# KiCad board Power Unit.kicad_pcb
title: Power Unit - CanSat 2023; date: 2023-01-18; company: Project SkyFall; note: David Haisman
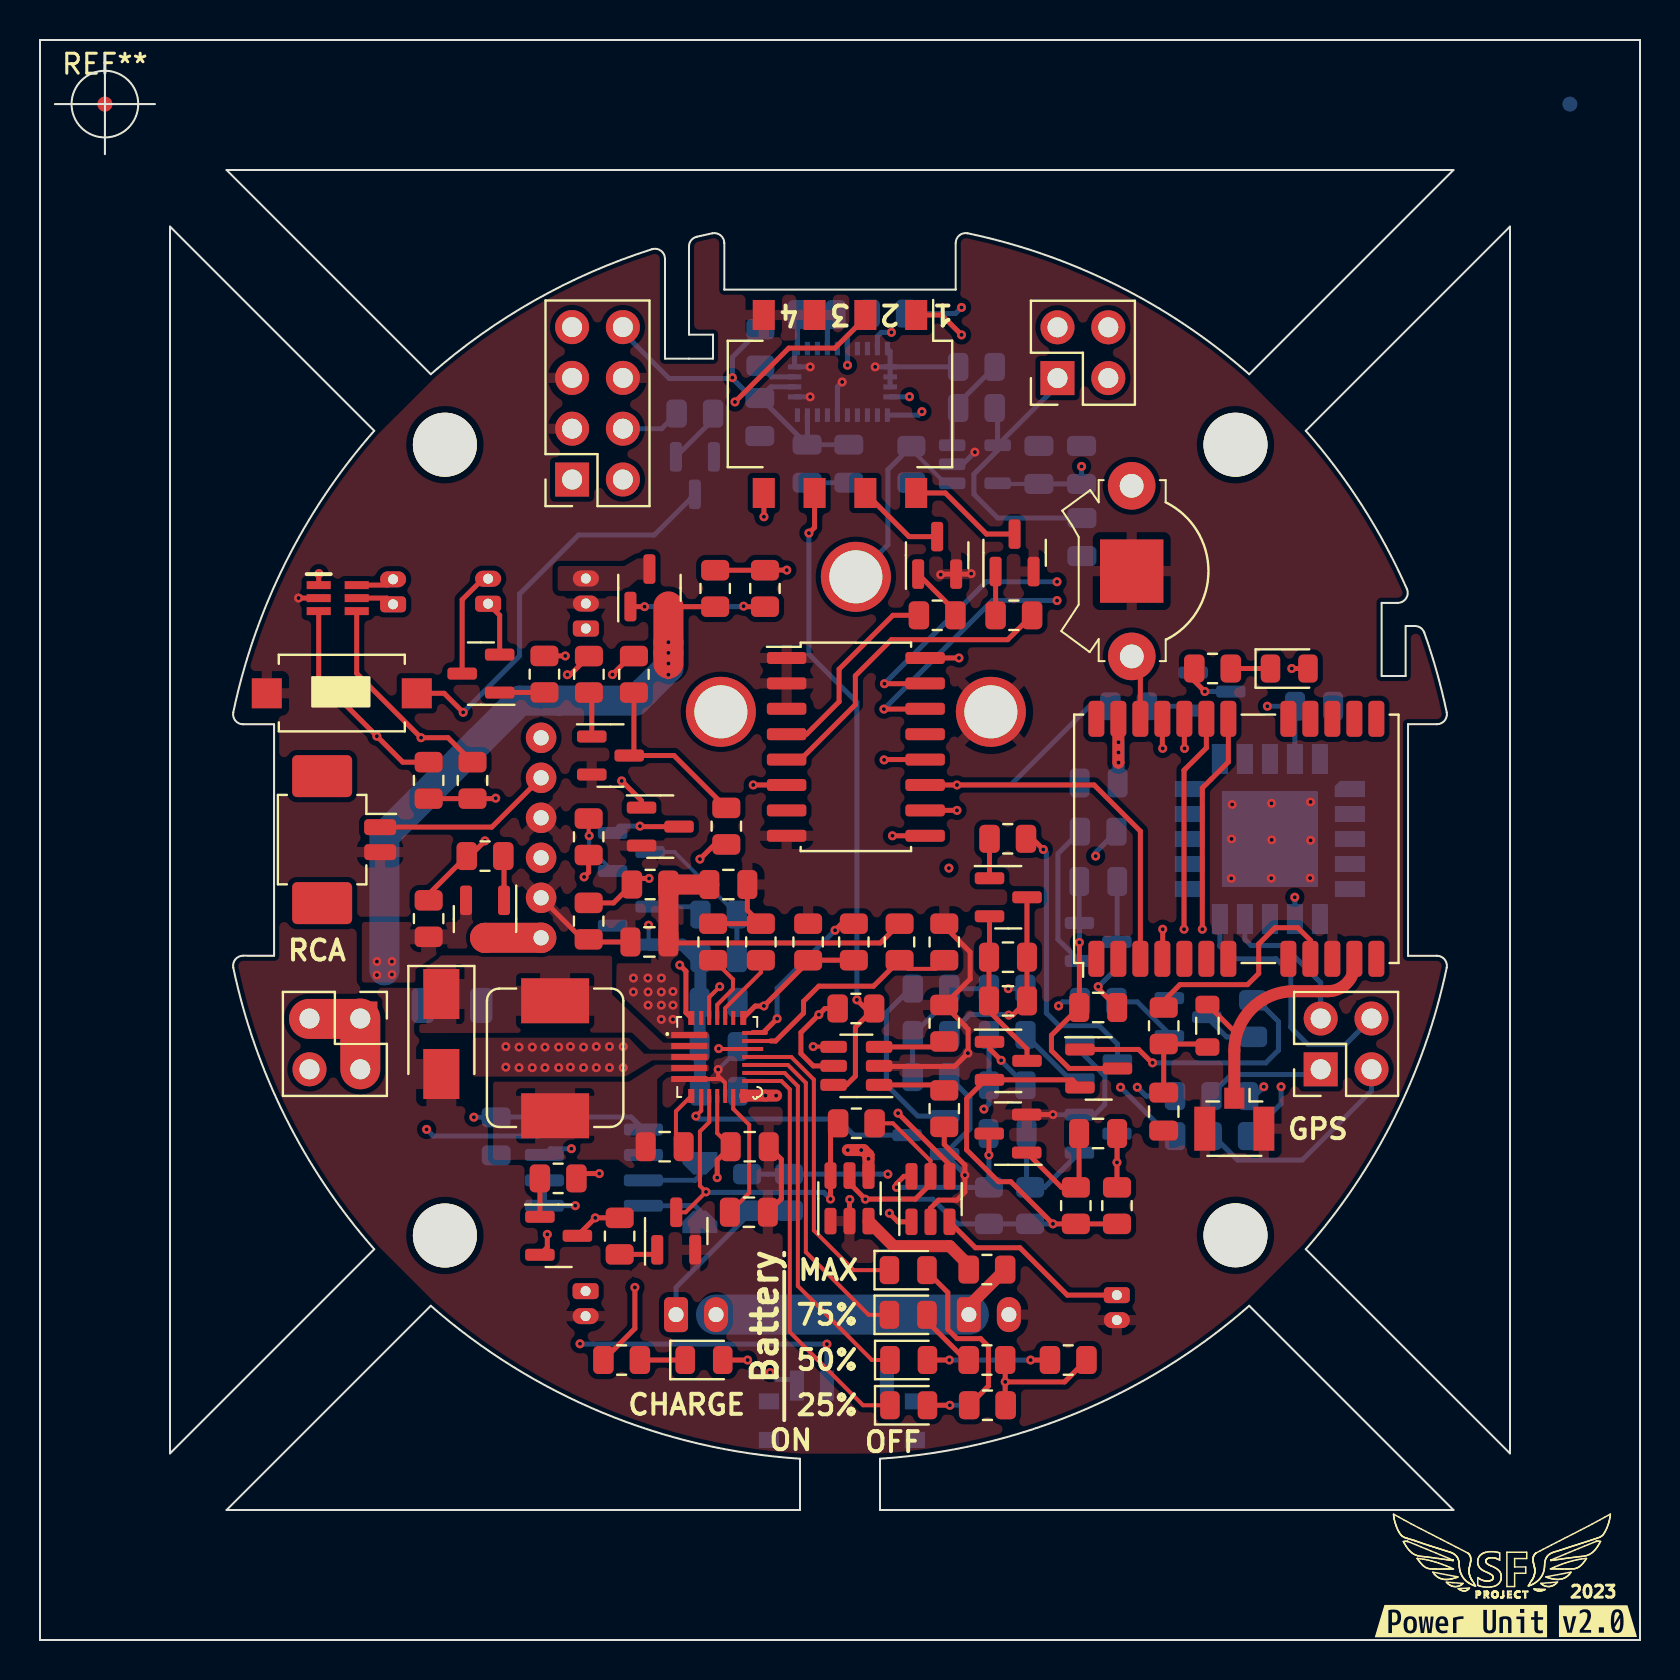
[diagram p0: board, top side]
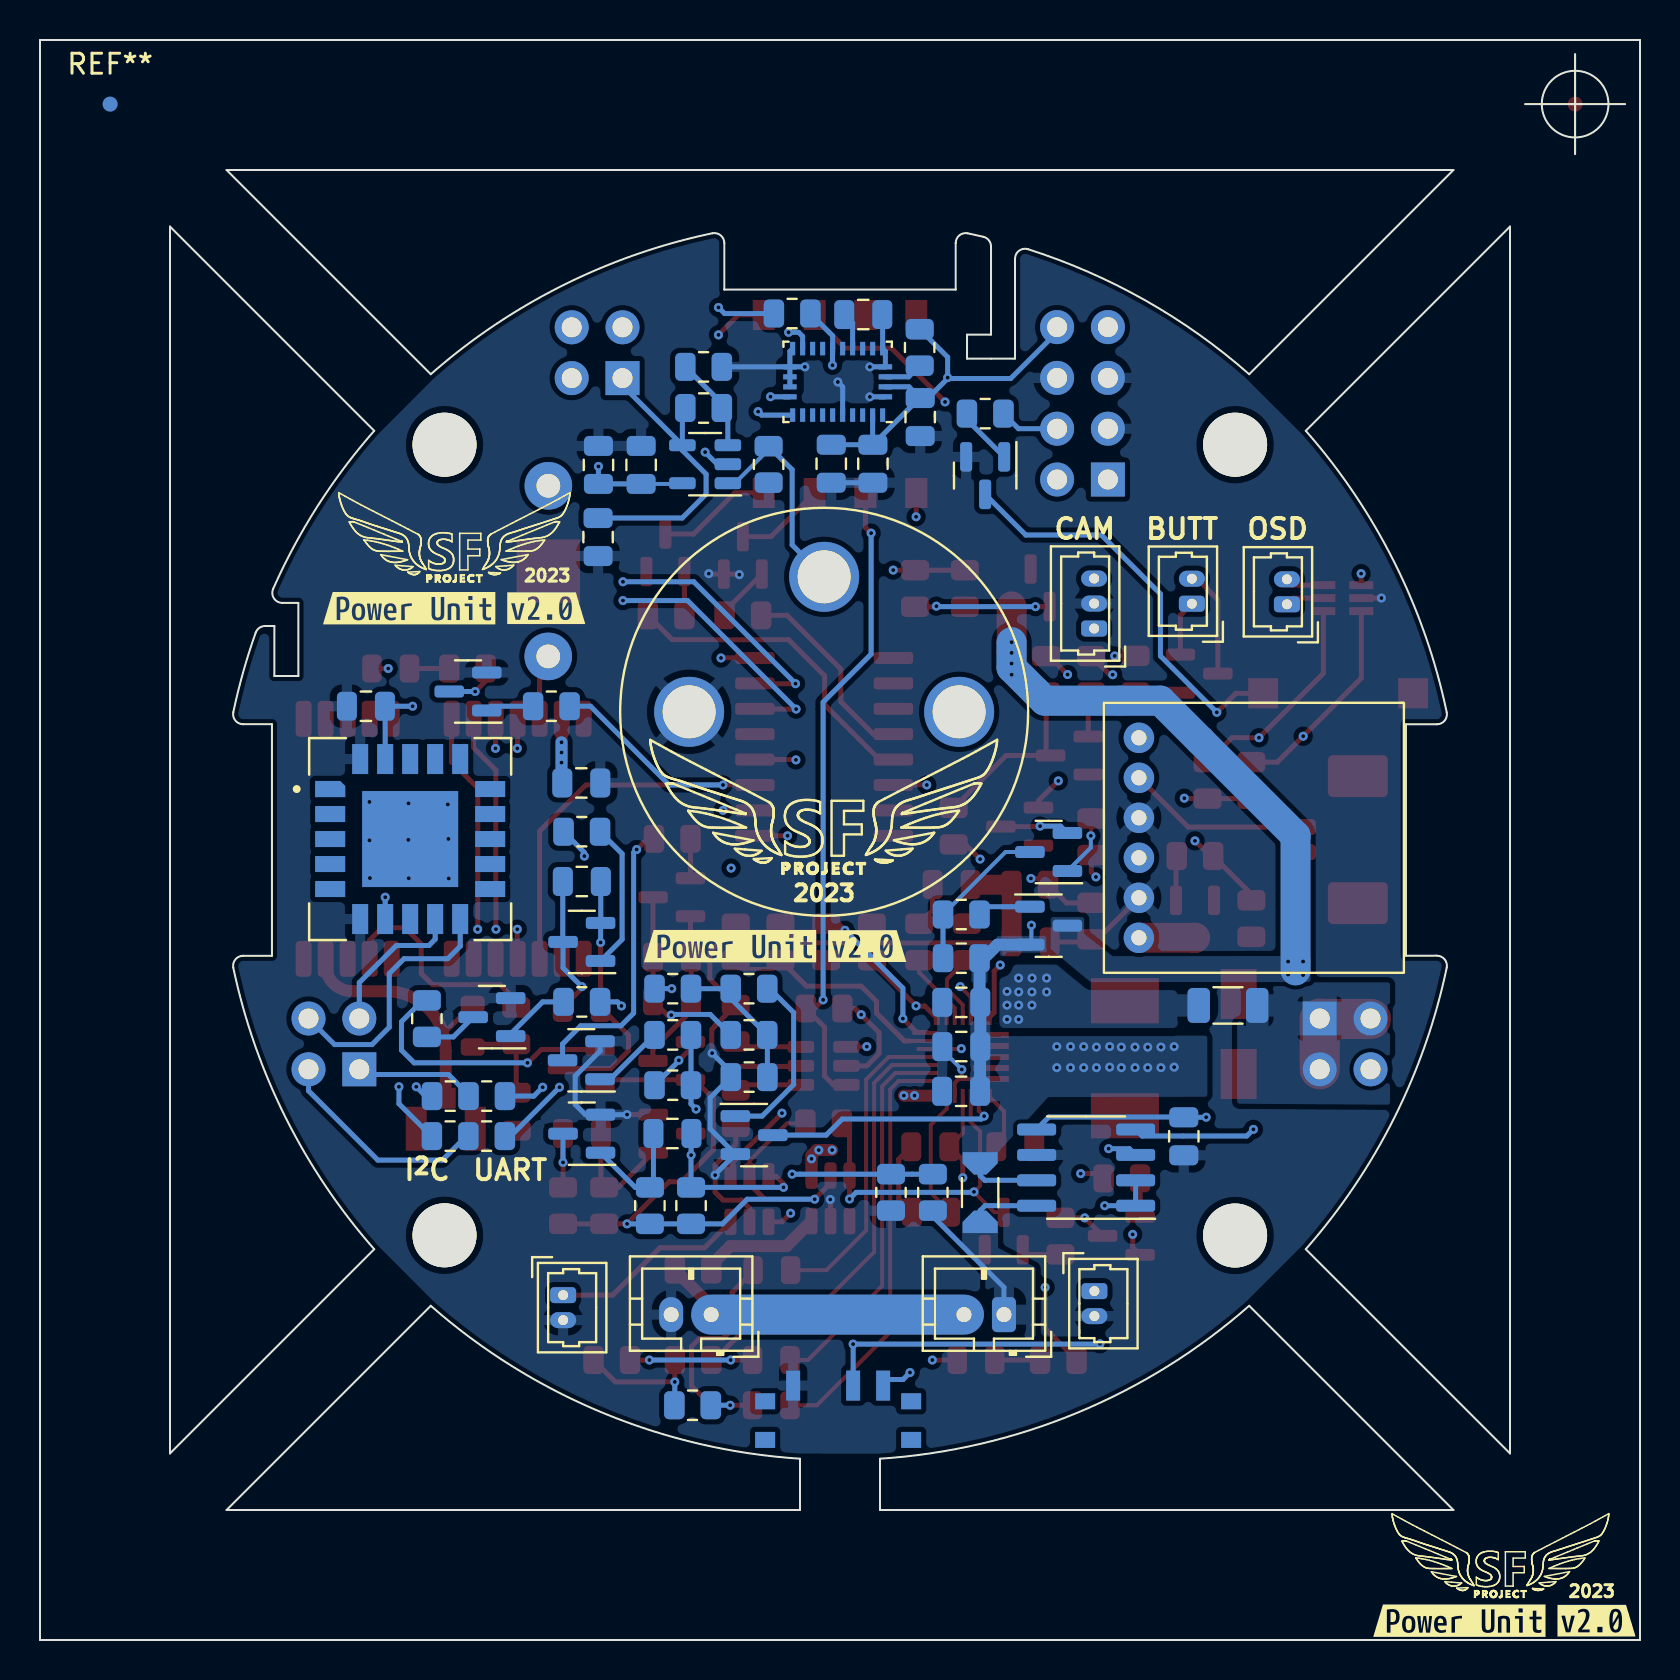
[diagram p1: board, bottom side, seen from below]

Outline 80 x 80 mm; copper layers: Top, In1.Cu, In2.Cu, Bottom. Coordinates in mm from the lower left corner of the outline.
Outline path: 0,80 80,80 80,0 0,0 0,80 ; 6.5,70.67 16.71,60.46 arc(12.28,53.88) 9.67,46.39 arc(9.77,45.97) 10.15,45.79 11.71,45.79 11.71,34.21 10.15,34.21 arc(9.77,34.03) 9.67,33.61 arc(12.28,26.12) 16.71,19.54 6.5,9.33 6.5,70.67 ; 9.33,73.5 70.67,73.5 60.46,63.29 arc(53.88,67.72) 46.39,70.34 arc(45.97,70.23) 45.78,69.85 45.78,67.52 34.21,67.52 34.21,69.85 arc(34.03,70.23) 33.61,70.33 arc(33.22,70.25) 32.83,70.16 arc(32.56,69.98) 32.45,69.67 32.45,65.27 33.65,65.27 33.65,64.07 31.25,64.07 31.25,69.06 arc(31.04,69.47) 30.6,69.54 arc(24.74,66.99) 19.54,63.29 9.33,73.5 ; 9.33,6.5 19.54,16.71 arc(28.14,11.36) 38,9.06 38,6.5 9.33,6.5 ; 42,6.5 42,9.06 arc(51.86,11.36) 60.46,16.71 70.67,6.5 42,6.5 ; 63.29,60.46 arc(66.12,56.7) 68.34,52.56 arc(68.3,52.08) 67.89,51.86 67.08,51.86 67.08,48.2 68.28,48.2 68.28,50.7 68.74,50.7 arc(69.03,50.61) 69.22,50.37 arc(69.84,48.4) 70.33,46.39 arc(70.23,45.97) 69.85,45.79 68.4,45.79 68.4,34.21 69.84,34.21 arc(70.23,34.03) 70.33,33.61 arc(67.72,26.12) 63.29,19.54 73.5,9.33 73.5,70.67 63.29,60.46
Stack: Top 0.035mm / dielectric 0.48mm FR4 er 4.5 / In1.Cu 0.035mm / dielectric 0.48mm FR4 er 4.5 / In2.Cu 0.035mm / dielectric 0.48mm FR4 er 4.5 / Bottom 0.035mm

## Placement (name value [footprint] x y rotation side)
AE1001  Antenna_Shield  [U.FL_Hirose_U.FL-R-SMT-1_Vertical]  59.72 26.04 270 top
BT301  Battery_Cell  [JST_PH_B2B-PH-K_1x02_P2.00mm_Vertical]  31.8 16.27 0 bottom
BT302  Battery_Cell  [JST_PH_B2B-PH-K_1x02_P2.00mm_Vertical]  46.44 16.27 0 bottom
BT1001  Backup battery  [2989]  54.59 53.44 270 top
C301  22uF  [C_0805_2012Metric]  48.38 25.32 0 bottom
C302  22uF  [C_0805_2012Metric]  52.9 25.32 0 top
C401  10uF  [C_0805_2012Metric]  22.81 25.18 90 bottom
C701  100nF  [C_0805_2012Metric]  31.23 24.67 0 top
C702  22uF  [C_0805_2012Metric]  30.47 34.9 180 top
C703  4.7uF  [C_0805_2012Metric]  34.42 37.77 0 top
C704  100nF  [C_0805_2012Metric]  35.44 21.39 0 top
C705  1uF  [C_0805_2012Metric]  35.48 24.67 0 top
C706  22uF  [C_0805_2012Metric]  33.95 27.44 0 bottom
C707  22uF  [C_0805_2012Metric]  33.94 29.67 0 bottom
C708  1uF  [C_0805_2012Metric]  33.94 31.88 0 bottom
C801  120nF  [C_0805_2012Metric]  35.99 61.15 270 bottom
C802  6n8  [C_0805_2012Metric]  40.44 58.81 270 bottom
C803  100nF  [C_0805_2012Metric]  38.35 58.81 270 bottom
C804  100nF  [C_0805_2012Metric]  38.84 66.27 180 bottom
C901  100nF  [C_0805_2012Metric]  63.7 46.69 0 bottom
C1001  1uF  [C_0805_2012Metric]  52.93 42.85 0 bottom
C1002  100nF  [C_0805_2012Metric]  56.19 26.42 90 top
C1101  100nF  [C_0805_2012Metric]  49.94 58.75 90 bottom
C1102  10uF  [C_0805_2012Metric]  52.08 58.75 90 bottom
C1103  10nF  [C_0805_2012Metric]  52.1 55.15 270 bottom
C1201  NC  [C_0805_2012Metric]  52.91 37.93 0 bottom
C1202  10uF  [C_0805_2012Metric]  52.91 31.63 0 top
C1203  22uF  [C_0805_2012Metric]  48.4 31.96 0 top
C1204  22uF  [C_0805_2012Metric]  48.4 34.14 0 top
D701  B330A  [D_SMA]  20.07 30.3 270 top
D702  APT2012LZGCK  [LED_0805_2012Metric]  43.43 11.74 0 top
D703  APT2012LZGCK  [LED_0805_2012Metric]  43.43 14 0 top
D704  APT2012LZGCK  [LED_0805_2012Metric]  43.41 16.26 0 top
D705  APT2012LZGCK  [LED_0805_2012Metric]  43.41 18.49 0 top
D706  APT2012LSECK/J3-PRV  [LED_0805_2012Metric]  33.2 14 0 top
D1001  APT2012LSECK/J4-PRV  [LED_0805_2012Metric]  62.46 48.57 0 top
H201  MountingHole  [MountingHole_3.2mm_M3]  59.77 59.76 0 top
H202  MountingHole  [MountingHole_3.2mm_M3]  20.24 59.76 0 top
H203  MountingHole  [MountingHole_3.2mm_M3]  20.24 20.22 0 top
H204  MountingHole  [MountingHole_3.2mm_M3]  59.77 20.23 0 top
IC701  MP2639AGR-Z  [MP2639AGRZ]  33.86 29.15 0 top
J101  Conn_02x04_Female  [PinSocket_2x04_P2.54mm_Vertical]  26.6 58.02 180 top
J102  Conn_02x02_Female  [PinSocket_2x02_P2.54mm_Vertical]  50.87 63.09 180 top
J103  Conn_02x02_Female  [PinSocket_2x02_P2.54mm_Vertical]  64.03 28.53 180 top
J104  Conn_02x02_Female  [PinSocket_2x02_P2.54mm_Vertical]  16.01 31.07 0 top
J501  Conn_01x02  [Molex_PicoBlade_53261-0271_1x02-1MP_P1.25mm_Horizontal]  14.61 40.02 270 top
J502  Conn_01x03  [Molex_PicoBlade_53047-0310_1x03_P1.25mm_Vertical]  27.29 50.57 90 bottom
J503  Conn_01x02  [Molex_PicoBlade_53047-0210_1x02_P1.25mm_Vertical]  22.41 51.81 90 bottom
J504  Conn_01x02  [Molex_PicoBlade_53047-0210_1x02_P1.25mm_Vertical]  17.65 51.78 90 bottom
kibuzzard-63BEDE70  G***  [kibuzzard-63BEDE70]  71.04 0.94 0 top
kibuzzard-63BEDE70#2  G***  [kibuzzard-63BEDE70]  45.49 34.69 180 bottom
kibuzzard-63BEDE70#3  G***  [kibuzzard-63BEDE70]  61.54 51.59 180 bottom
kibuzzard-63BEDE70#4  G***  [kibuzzard-63BEDE70]  9.03 0.97 180 bottom
kibuzzard-63BF2B69  G***  [kibuzzard-63BF2B69]  77.9 0.94 0 top
kibuzzard-63BF2B74  G***  [kibuzzard-63BF2B74]  2.18 0.97 180 bottom
kibuzzard-63BF2B87  G***  [kibuzzard-63BF2B87]  38.64 34.69 180 bottom
kibuzzard-63BF2B92  G***  [kibuzzard-63BF2B92]  54.69 51.59 180 bottom
L701  SRP7050AA-2R2M  [L_Bourns_SRP7050AA]  25.76 29.11 90 top
L1001  27nH  [L_0805_2012Metric]  58.37 30.71 90 top
Q201  BC847  [SOT-23]  48.73 54.36 90 top
Q202  BC847  [SOT-23]  44.86 54.23 90 top
Q203  BC847  [SOT-23]  32.74 58.22 270 bottom
Q204  BC847  [SOT-23]  44.29 25.24 180 bottom
Q205  BC847  [SOT-23]  29.57 39.4 0 bottom
Q206  BC847  [SOT-23]  31.81 20.45 90 top
Q207  SI2305CDS-T1-BE3  [SOT-23]  29.57 35.72 180 bottom
Q208  BC857  [SOT-23]  25.93 20.21 0 top
Q209  BC847  [SOT-23]  31.01 40.67 0 top
Q210  BC847  [SOT-23]  28.53 44.22 0 top
Q211  SI2305CDS-T1-BE3  [SOT-23]  30.47 52.61 90 top
Q212  SI2305CDS-T1-BE3  [SOT-23]  22.25 36.05 270 top
Q301  BC847  [SOT-23]  48.4 25.32 180 top
Q302  BC847  [SOT-23]  52.91 25.32 0 bottom
Q501  BC847  [SOT-23]  22.05 48.32 180 top
Q1001  BC847  [SOT-23]  58.6 47.42 0 bottom
Q1201  BC857  [SOT-23]  52.93 28.58 0 top
Q1202  BC857  [SOT-23]  52.91 34.9 0 bottom
Q1203  BC847  [SOT-23]  57.4 31.14 0 bottom
Q1204  BC857  [SOT-23]  48.41 28.96 0 top
Q1205  BC857  [SOT-23]  48.41 37.14 0 top
Q1206  BC847  [SOT-23]  52.93 28.98 0 bottom
R201  10k  [R_0805_2012Metric]  19.43 42.98 90 top
R202  10k  [R_0805_2012Metric]  21.62 42.98 90 top
R203  5k  [R_0805_2012Metric]  48.69 51.23 0 top
R204  5k  [R_0805_2012Metric]  44.86 51.23 180 top
R205  10k  [R_0805_2012Metric]  40.82 25.83 180 top
R206  5k  [R_0805_2012Metric]  32.74 61.32 180 bottom
R207  100k  [R_0805_2012Metric]  33.94 34.09 0 bottom
R208  10k  [R_0805_2012Metric]  44.55 32.57 0 bottom
R209  10k  [R_0805_2012Metric]  33.94 36.27 0 bottom
R210  0R  [R_1206_3216Metric]  20.6 31.73 0 bottom
R211  10k  [R_0805_2012Metric]  28.98 20.19 270 top
R212  100k  [R_0805_2012Metric]  34.32 40.69 270 top
R213  100k  [R_0805_2012Metric]  27.43 40.16 90 top
R214  5k  [R_0805_2012Metric]  25.91 23.08 180 top
R215  100k  [R_0805_2012Metric]  29.7 48.28 90 top
R216  12k  [R_0805_2012Metric]  35.36 22.38 90 bottom
R217  100k  [R_0805_2012Metric]  27.45 48.28 270 top
R218  5k1  [R_0805_2012Metric]  37.45 22.38 270 bottom
R219  100k  [R_0805_2012Metric]  33.76 52.58 90 top
R220  10k  [R_0805_2012Metric]  36.25 52.58 90 top
R221  100k  [R_0805_2012Metric]  19.43 36.07 270 top
R222  10k  [R_0805_2012Metric]  22.25 39.2 0 top
R301  10k  [R_0805_2012Metric]  47.45 21.72 270 bottom
R302  220k  [R_0805_2012Metric]  49.51 21.72 270 bottom
R303  220k  [R_0805_2012Metric]  51.79 21.72 270 top
R304  10k  [R_0805_2012Metric]  53.85 21.72 270 top
R401  PE1206FRE470R04L  [R_1206_Current]  32.99 22.37 90 bottom
R501  5k  [R_0805_2012Metric]  25.22 48.29 270 top
R701  10k  [R_0805_2012Metric]  40.79 31.58 0 top
R702  82k  [R_0805_2012Metric]  45.21 30.84 90 top
R703  820k  [R_0805_2012Metric]  45.21 26.57 270 top
R704  3k16  [R_0805_2012Metric]  27.43 35.94 270 top
R705  10k  [R_0805_2012Metric]  30.51 37.77 180 top
R706  27k4  [R_0805_2012Metric]  42.98 34.9 270 top
R707  143k  [R_0805_2012Metric]  33.66 34.9 90 top
R708  75k  [R_0805_2012Metric]  36.04 34.9 90 top
R709  10k  [R_0805_2012Metric]  45.21 34.9 90 top
R710  330R  [R_0805_2012Metric]  29.08 14 180 top
R711  750R  [R_0805_2012Metric]  47.37 11.74 180 bottom
R712  330R  [R_0805_2012Metric]  51.41 14 180 top
R713  330R  [R_0805_2012Metric]  47.35 14 180 top
R714  330R  [R_0805_2012Metric]  47.37 11.74 180 top
R715  0R5  [R_0805_2012Metric]  47.35 18.52 0 top
R801  10k  [R_0805_2012Metric]  42.39 66.32 180 bottom
R802  10k  [R_0805_2012Metric]  36.02 64.63 90 bottom
R1001  12R  [R_0805_2012Metric]  56.19 30.71 90 top
R1002  750R  [R_0805_2012Metric]  58.63 48.57 180 top
R1003  5k  [R_0805_2012Metric]  54.43 46.69 0 bottom
R1101  100R  [R_0805_2012Metric]  43.57 58.78 270 bottom
R1102  20k  [R_0805_2012Metric]  46.82 61.6 0 bottom
R1103  100R  [R_0805_2012Metric]  46.82 63.66 0 bottom
R1201  10k  [R_0805_2012Metric]  48.36 32.57 180 bottom
R1202  100k  [R_0805_2012Metric]  60.66 31.07 90 bottom
R1203  15k  [R_0805_2012Metric]  44.55 30.25 180 bottom
R1204  100k  [R_0805_2012Metric]  44.54 28.14 180 bottom
R1205  100k  [R_0805_2012Metric]  48.39 40.06 180 top
R1206  100k  [R_0805_2012Metric]  48.36 27.74 0 bottom
R1207  100k  [R_0805_2012Metric]  48.36 30.25 0 bottom
R1208  100k  [R_0805_2012Metric]  52.91 31.91 0 bottom
R1209  100k  [R_0805_2012Metric]  52.91 40.41 180 bottom
REF**  -  [Fiducial_0.75mm_Mask1.5mm]  3.24 76.79 0 top
REF**#2  -  [Fiducial_0.75mm_Mask1.5mm]  76.49 76.79 180 bottom
RT701  1k87  [R_0805_2012Metric]  40.69 34.9 90 top
RT702  5k11  [R_0805_2012Metric]  38.41 34.9 90 top
SW201  DS04-254-1-04BK-SMT  [SW_DIP_SPSTx04_Slide_Omron_A6S-410x_W8.9mm_P2.54mm]  40 61.8 270 top
SW202  -  [PCM12SMTR]  40.04 10.97 180 bottom
SW203  LaskaKit tlačítko  [Tlačítko SMD LaskaKit]  15.04 47.41 0 top
SW1001  -  [Cu_Conn-R_0805_2012Metric]  58.59 27.19 180 bottom
SW1002  -  [Cu_Conn-R_0805_2012Metric]  58.59 25.19 180 bottom
TH301  NRBE104J3435B2J  [Molex_PicoBlade_53047-0210_1x02_P1.25mm_Vertical]  53.84 17.24 270 bottom
TH302  NRBE104J3435B2J  [Molex_PicoBlade_53047-0210_1x02_P1.25mm_Vertical]  27.28 17.44 270 bottom
U201  PCA8574D  [SO-16_5.3x10.2mm_P1.27mm]  40.79 44.66 0 top
U301  TS5A3159DBV  [SOT-23-6]  44.52 22.05 90 top
U401  INA219AxD  [SOIC-8_3.9x4.9mm_P1.27mm]  27.69 23.62 0 bottom
U501  AD5246BKSZ100  [SOT65P210X110-6N]  14.88 52.09 0 top
U601  TBS_UNIFY_PRO32_5G8_nano  [TBS UNIFY PRO32 5G8 nano]  19.55 40.11 0 bottom
U701  TS5A3159DBV  [SOT-23-6]  40.82 28.71 180 top
U702  TS5A3159DBV  [SOT-23-6]  40.47 22.08 90 top
U801  BNO055  [LGA-28_5.2x3.8mm_P0.5mm]  40.12 62.91 0 bottom
U901  SCD41  [XDCR_SCD41-D-R2]  61.49 40.05 180 bottom
U1002  NEO-M9N  [ublox_NEO]  59.82 40.06 90 top
U1101  MCP6486UT-E/OT  [SOT-23-5]  46.74 58.79 0 bottom
U1102  ME2-02  [ME2-O2]  40.79 46.41 180 bottom

## Library data of the parts
D706 = -: Meaning: CHARGING
IC701 = -: Description: Battery Management 2-Cell 2.5A Li-ion or Li-polymer Switching Charger Integrated Bidirectional Charge/Discharge; Height: 1; Manufacturer_Name: Monolithic Power Systems (MPS); Mouser Part Number: 946-MP2639AGR-Z; Mouser Price/Stock: https://www.mouser.co.uk/ProductDetail/Monolithic-Power-Systems-MPS/MP2639AGR-Z?qs=YCa%2FAAYMW004W5DDRZSXeQ%3D%3D
J501 = -: Legend: Camera RCA
J502 = -: Legend: Power+output
J503 = -: Comment: 2 prePush, 1GND; Legend: Control
J504 = -: Legend: Control OSD
R702 = -: Field4: FAST
R703 = -: Field4: SLOW
SW201 = -: Shop: https://cz.mouser.com/ProductDetail/CUI-Devices/DS04-254-1-03BK-SMT?qs=wnTfsH77Xs6AM9RonXx4xg%3D%3D

## Footprints (pads in the part's own frame, mm; a bottom-side part is the same pattern mirrored in y, then rotated)
2989
  round 2.38 hole 1.19: 1(-4.265,-0.003) 1(4.265,0.003)
  rect 3.17x3.17 smd: 2(0,0)
C_0805_2012Metric
  rrect 1x1.45 smd: 1(-0.95,0) 2(0.95,0)
Cu_Conn-R_0805_2012Metric
  rrect 1.025x1.4 smd: 1(-1.812,0) 2(0.013,0) 3(1.837,0)
D_SMA
  rect 2.5x1.8 smd: 1(-2,0) 2(2,0)
Fiducial_0.75mm_Mask1.5mm
  round 0.75 smd: (0,0)
JST_PH_B2B-PH-K_1x02_P2.00mm_Vertical
  rrect 1.2x1.75 hole 0.75: 1(0,0)
  oval 1.2x1.75 hole 0.75: 2(2,0)
L_0805_2012Metric
  rrect 0.875x1.2 smd: 1(-1.062,0) 2(1.062,0)
L_Bourns_SRP7050AA
  rect 2.25x3.4 smd: 1(-2.9,0) 2(2.85,0)
LED_0805_2012Metric
  rrect 0.975x1.4 smd: 1(-0.938,0) 2(0.938,0)
LGA-28_5.2x3.8mm_P0.5mm
  rect 0.254x0.675 smd: 1(-2.25,1.663) 6(-2.25,-1.663) 7(-1.75,-1.663) 8(-1.25,-1.663) 9(-0.75,-1.663) 10(-0.25,-1.663) 11(0.25,-1.663) 12(0.75,-1.663) 13(1.25,-1.663) 14(1.75,-1.663) 15(2.25,-1.663) 20(2.25,1.663) 21(1.75,1.663) 22(1.25,1.663) 23(0.75,1.663) 24(0.25,1.663) 25(-0.25,1.663) 26(-0.75,1.663) 27(-1.25,1.663) 28(-1.75,1.663)
  rect 0.675x0.254 smd: 2(-2.388,0.75) 3(-2.388,0.25) 4(-2.388,-0.25) 5(-2.388,-0.75) 16(2.388,-0.75) 17(2.388,-0.25) 18(2.388,0.25) 19(2.388,0.75)
ME2-O2
  round 3.5 hole 2.65: 1(-6.75,0) 2(0,6.75) 3(6.75,0)
Molex_PicoBlade_53047-0210_1x02_P1.25mm_Vertical
  rrect 0.8x1.3 hole 0.5: 1(0,0)
  oval 0.8x1.3 hole 0.5: 2(1.25,0)
Molex_PicoBlade_53047-0310_1x03_P1.25mm_Vertical
  rrect 0.8x1.3 hole 0.5: 1(0,0)
  oval 0.8x1.3 hole 0.5: 2(1.25,0) 3(2.5,0)
Molex_PicoBlade_53261-0271_1x02-1MP_P1.25mm_Horizontal
  rrect 0.8x1.6 smd: 1(-0.625,2.4) 2(0.625,2.4)
  rrect 2.1x3 smd: MP(-3.175,-0.5) MP(3.175,-0.5)
MountingHole_3.2mm_M3
  round 3.2 hole 3.2 unplated: (0,0)
MP2639AGRZ
  rect 1.8x0.3 smd: 1(-1.4,1.1) 2(-1.4,0.55) 3(-1.4,0) 4(-1.4,-0.55) 5(-1.4,-1.1)
  rect 0.3x0.7 smd: 6(-1.3,-1.95) 12(1.3,-1.95) 20(1.3,1.95) 26(-1.3,1.95)
  rect 0.2x0.7 smd: 7(-0.8,-1.95) 8(-0.4,-1.95) 9(0,-1.95) 10(0.4,-1.95) 11(0.8,-1.95) 21(0.8,1.95) 22(0.4,1.95) 23(0,1.95) 24(-0.4,1.95) 25(-0.8,1.95)
  rect 1.05x0.2 smd: 13(1.775,-1.2) 14(1.775,-0.8) 15(1.775,-0.4) 16(1.775,0) 17(1.775,0.4) 18(1.775,0.8) 19(1.775,1.2)
PCM12SMTR
  rect 0.7x1.5 smd: 1(-2.3,1.75) 2(0.7,1.75) 3(2.2,1.75)
  rect 1x0.8 smd: MP(-3.7,-0.965) MP(-3.7,0.965) MP(3.6,-0.965) MP(3.6,0.965)
PinSocket_2x02_P2.54mm_Vertical
  rect 1.7x1.7 hole 1: 1(0,0)
  oval 1.7x1.7 hole 1: 2(-2.54,0) 3(0,-2.54) 4(-2.54,-2.54)
PinSocket_2x04_P2.54mm_Vertical
  rect 1.7x1.7 hole 1: 1(0,0)
  oval 1.7x1.7 hole 1: 2(-2.54,0) 3(0,-2.54) 4(-2.54,-2.54) 5(0,-5.08) 6(-2.54,-5.08) 7(0,-7.62) 8(-2.54,-7.62)
R_0805_2012Metric
  rrect 1.025x1.4 smd: 1(-0.912,0) 2(0.912,0)
R_1206_3216Metric
  rrect 1.125x1.75 smd: 1(-1.462,0) 2(1.462,0)
R_1206_Current
  rrect 1.125x1.75 smd: 1(-1.462,0) 2(1.462,0)
SO-16_5.3x10.2mm_P1.27mm
  rrect 1.975x0.6 smd: 1(-3.462,4.445) 2(-3.462,3.175) 3(-3.462,1.905) 4(-3.462,0.635) 5(-3.462,-0.635) 6(-3.462,-1.905) 7(-3.462,-3.175) 8(-3.462,-4.445) 9(3.462,-4.445) 10(3.462,-3.175) 11(3.462,-1.905) 12(3.462,-0.635) 13(3.462,0.635) 14(3.462,1.905) 15(3.462,3.175) 16(3.462,4.445)
SOIC-8_3.9x4.9mm_P1.27mm
  rrect 1.95x0.6 smd: 1(-2.475,1.905) 2(-2.475,0.635) 3(-2.475,-0.635) 4(-2.475,-1.905) 5(2.475,-1.905) 6(2.475,-0.635) 7(2.475,0.635) 8(2.475,1.905)
SOT65P210X110-6N
  rect 1.2x0.4 smd: 1(-0.95,0.65) 2(-0.95,0) 3(-0.95,-0.65) 4(0.95,-0.65) 5(0.95,0) 6(0.95,0.65)
SOT-23
  rrect 1.475x0.6 smd: 1(-0.938,0.95) 2(-0.938,-0.95) 3(0.938,0)
SOT-23-5
  rrect 1.325x0.6 smd: 1(-1.137,0.95) 2(-1.137,0) 3(-1.137,-0.95) 4(1.137,-0.95) 5(1.137,0.95)
SOT-23-6
  rrect 1.325x0.6 smd: 1(-1.137,0.95) 2(-1.137,0) 3(-1.137,-0.95) 4(1.137,-0.95) 5(1.137,0) 6(1.137,0.95)
SW_DIP_SPSTx04_Slide_Omron_A6S-410x_W8.9mm_P2.54mm
  rect 1.5x1.1 smd: 1(-4.45,3.81) 2(-4.45,1.27) 3(-4.45,-1.27) 4(-4.45,-3.81) 5(4.45,-3.81) 6(4.45,-1.27) 7(4.45,1.27) 8(4.45,3.81)
TBS UNIFY PRO32 5G8 nano
  round 1.524 hole 0.762: 1(5.5,5) 2(5.5,3) 3(5.5,1) 4(5.5,-1) 5(5.5,-3) 6(5.5,-5)
Tlačítko SMD LaskaKit
  rect 1.5x1.5 smd: 1(-3.7,-0.075) 2(3.8,-0.075)
U.FL_Hirose_U.FL-R-SMT-1_Vertical
  rect 1.05x1 smd: 1(-1.05,0)
  rect 2.2x1.05 smd: 2(0.475,1.475) 2(0.475,-1.475)
ublox_NEO
  rrect 1.8x0.8 smd: 1(-6,7) 2(-6,5.9) 3(-6,4.8) 4(-6,3.7) 5(-6,2.6) 6(-6,1.5) 7(-6,0.4) 8(-6,-2.6) 9(-6,-3.7) 10(-6,-4.8) 11(-6,-5.9) 12(-6,-7) 13(6,-7) 14(6,-5.9) 15(6,-4.8) 16(6,-3.7) 17(6,-2.6) 18(6,0.4) 19(6,1.5) 20(6,2.6) 21(6,3.7) 22(6,4.8) 23(6,5.9) 24(6,7)
XDCR_SCD41-D-R2
  custom 0.5x0.5 smd: 1(-4,2.5)
  rect 1.5x0.8 smd: 2(-4,1.25) 3(-4,0) 4(-4,-1.25) 5(-4,-2.5) 11(4,-2.5) 12(4,-1.25) 13(4,0) 14(4,1.25) 15(4,2.5)
  rect 0.8x1.5 smd: 6(-2.5,-4) 7(-1.25,-4) 8(0,-4) 9(1.25,-4) 10(2.5,-4) 16(2.5,4) 17(1.25,4) 18(0,4) 19(-1.25,4) 20(-2.5,4)
  rect 4.8x4.8 smd: 21(0,0)
